# Altium PCB Power Distribution Board Rev5.PcbDoc (part 1 of 2) (continued)
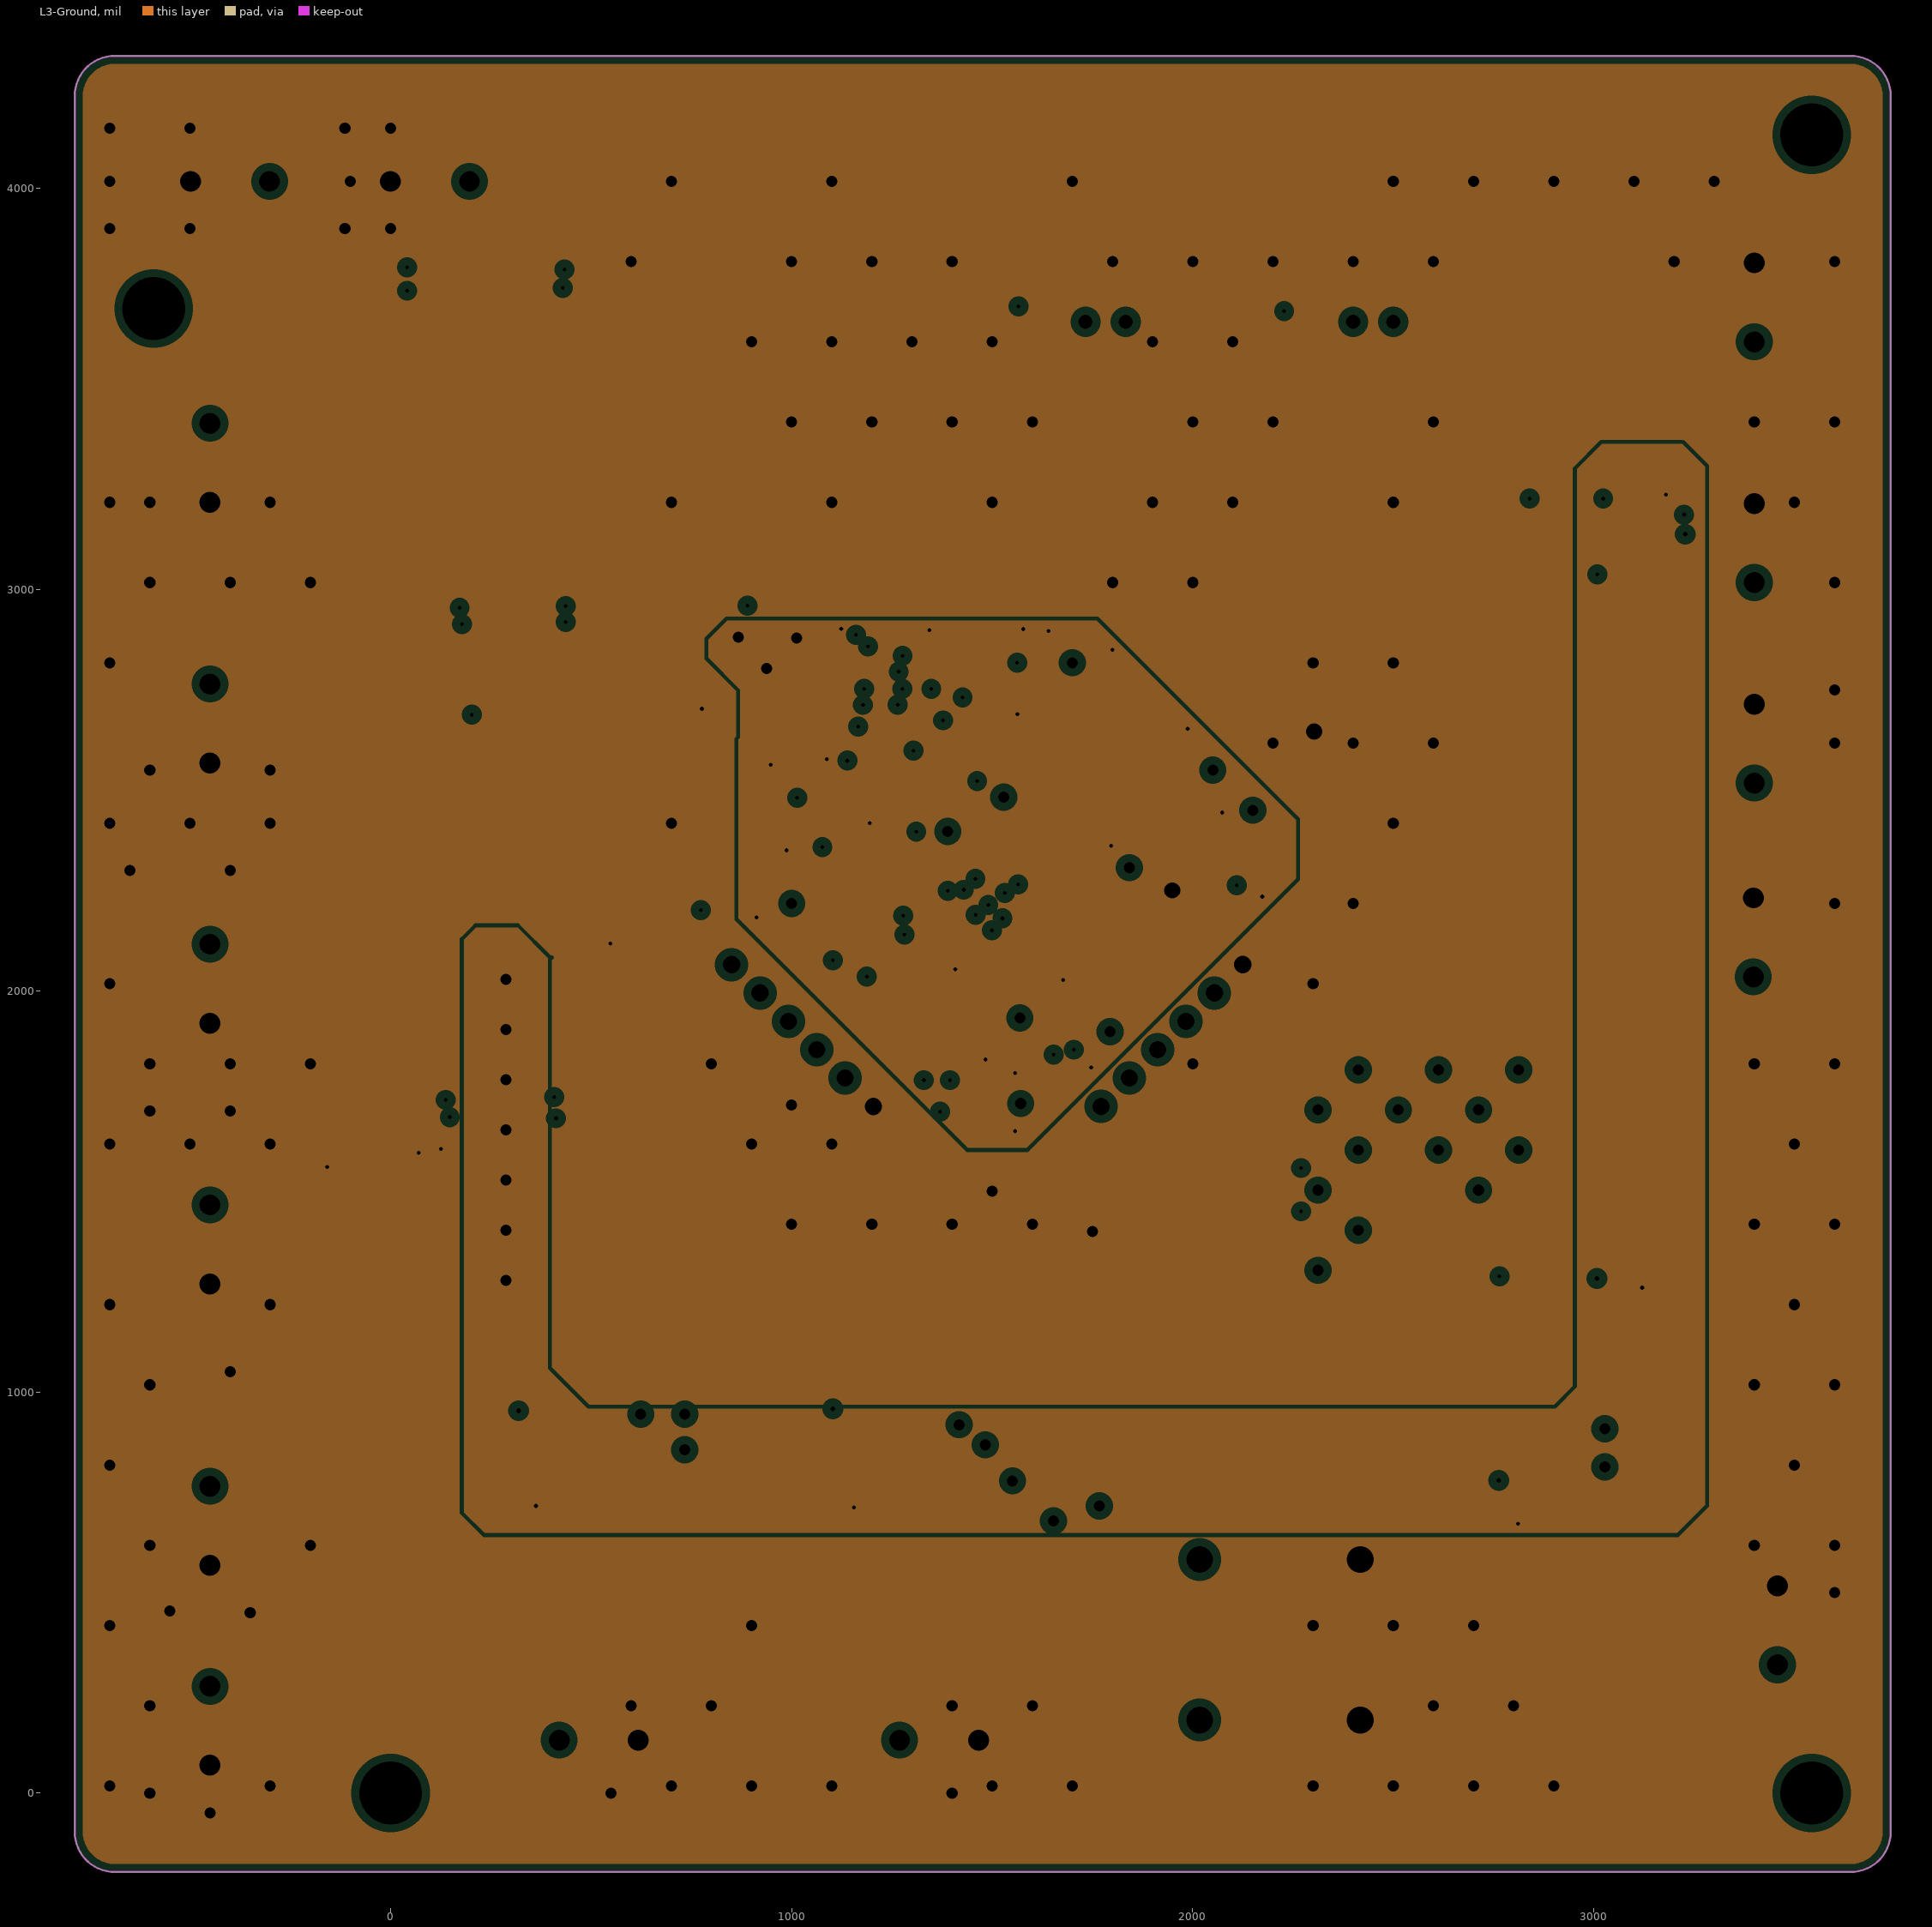
[diagram p3: L3-Ground, clearances drawn from the general rule]
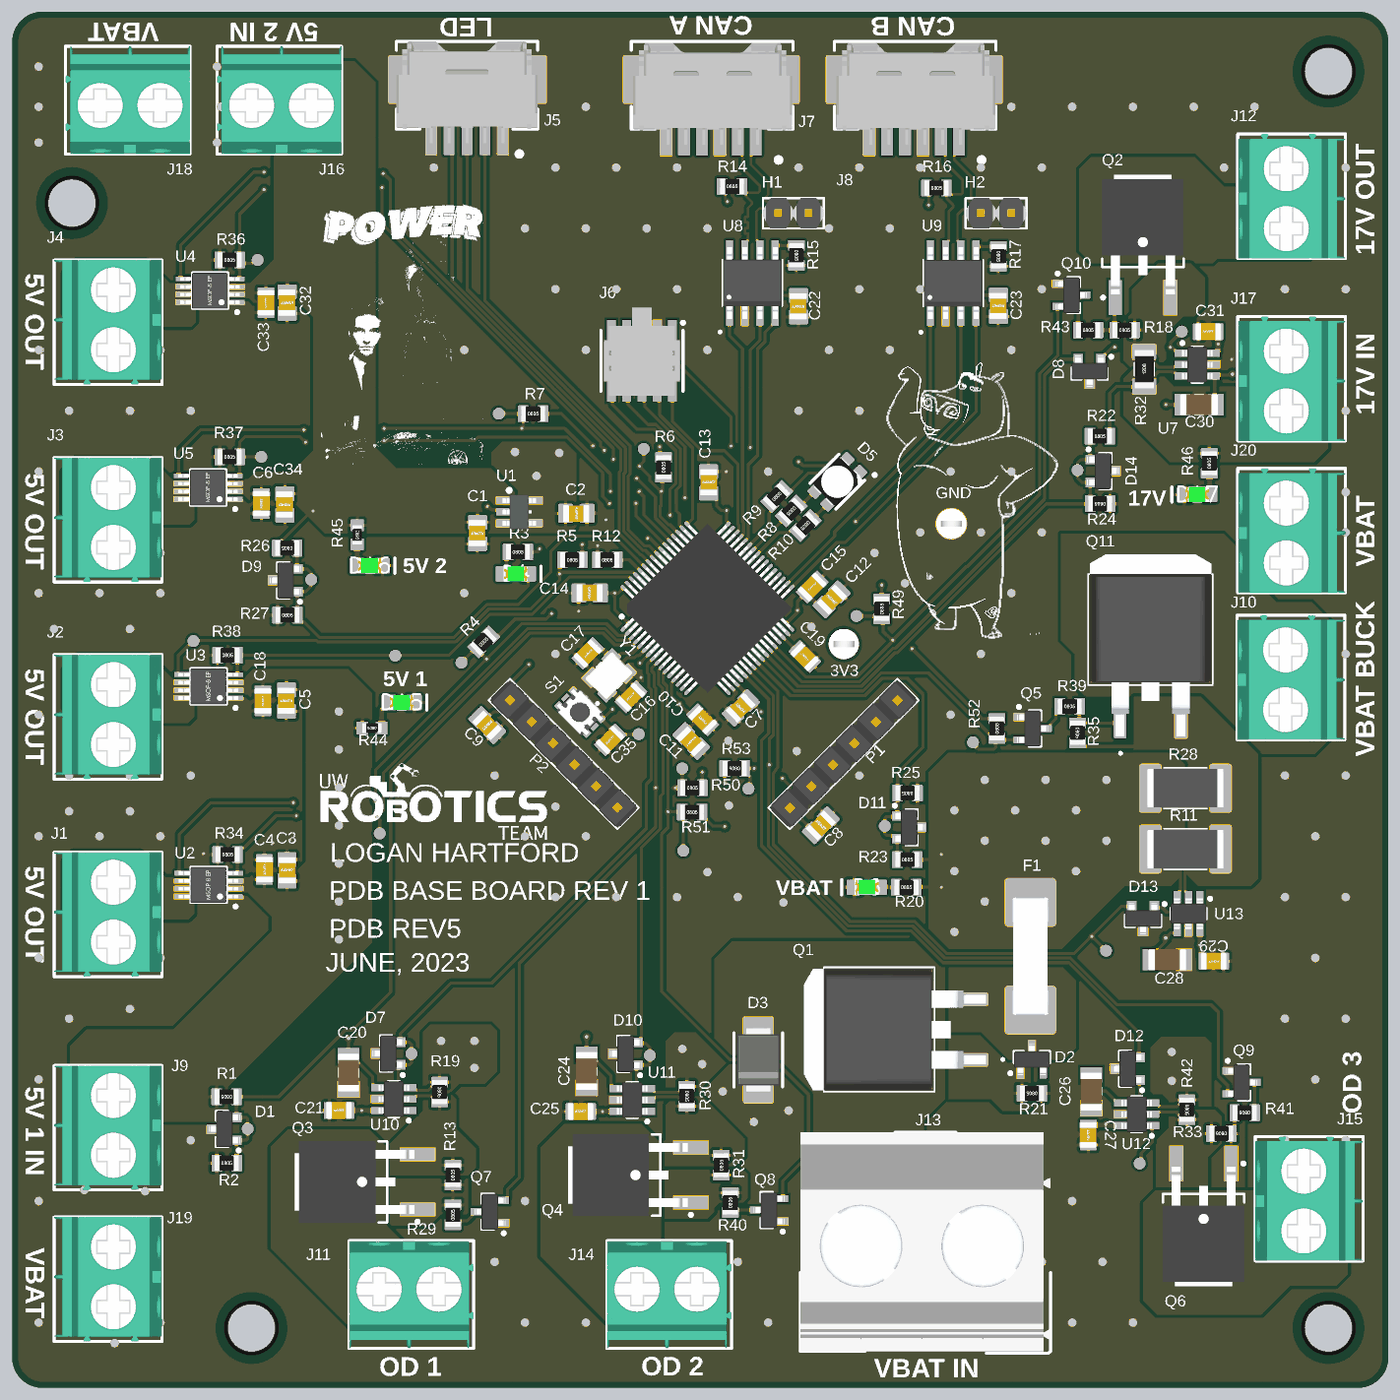
[diagram p5: 3D render of the assembled board from above, using the file's embedded part models]

## Layer stack, top to bottom
Top Solder: solder mask 0.5, Solder Resist, Dk 3.8
Top Layer: signal copper 1.378
Dielectric 1: prepreg 8.2835, 7628, Dk 4.6
L2-Ground: plane copper 0.5984, net GND
Core: core 41.929, FR-4, Dk 4.5
L3-Ground: plane copper 0.5984, net (Multiple Nets)
Dielectric 2: prepreg 8.2835, 7628, Dk 4.6
Bottom Layer: signal copper 1.378
Bottom Solder: solder mask 0.5, Solder Resist, Dk 3.8

## Board outline
-787.4,-96.85 ccw(c-687.4,-96.85) -687.4,-196.85 3640.16,-196.85 ccw(c3640.16,-96.85) 3740.16,-96.85 3740.16,4230.71 ccw(c3640.16,4230.71) 3640.16,4330.71 -687.4,4330.71 ccw(c-687.4,4230.71) -787.4,4230.71

## Design rules (kind name [scope] priority, off if disabled: settings)
BoardOutlineClearance [All] p1: gap=20 ignorepadtopadclearanceinfootprint=FALSE except(5: Text-OutlineEdge Text-CavityEdge Text-CutoutEdge Text-SplitBarrior Text-SplitContinuation; 25: Track-OutlineEdge Track-CavityEdge Track-CutoutEdge Track-SplitBarrior Track-SplitContinuation)
Clearance Clearance_mounting [(InComponent('MH1') OR InComponent('MH2') OR InComponent('MH3') OR InComponent('MH4'))] p1: gap=40 ignorepadtopadclearanceinfootprint=TRUE
Clearance "High Voltage Internal" [InNetClass('High_Voltage_Internal')  and OnLayer('Power')] p2: gap=20 ignorepadtopadclearanceinfootprint=TRUE
Clearance "High Voltage External" [InNetClass('High_Voltage')  and OnLayer('Signal')] p3: gap=12 ignorepadtopadclearanceinfootprint=TRUE
Clearance Clearance_1 [All] p4: gap=10 ignorepadtopadclearanceinfootprint=TRUE except(0: Arc-Text Track-Text; 5: Track-Track SMDPad-SMDPad Text-Text; 7: SMDPad-Region; 8: Arc-Arc Arc-Track Arc-SMDPad Track-SMDPad Track-Region SMDPad-THPad SMDPad-Fill SMDPad-Poly SMDPad-Text Region-Region; 20: THPad-THPad Via-Via)
ComponentClearance [All] p1: gap=10 collisioncheckmode=3 verticalgap=200 showdistances=FALSE
DiffPairsRouting [InDifferentialPairClass('CANBUS120')] p1: maxlimit=20 minlimit=8 mostfreqgap=20 toplayer_mingap=20 toplayer_minwidth=8 toplayer_maxwidth=8 toplayer_prefwidth=8 impedanceprofiledriven=TRUE impedanceprofileid={4CE2BA0C-8610-4AF6-9104-F98BE8B16325} impedanceprofilevalue=120.000000 maxuncoupledlength=500
Height [All] p1: minheight=0 maxheight=50000 prefheight=500
HoleSize [All] p1: absolutevalues=TRUE maxlimit=200 minlimit=10 maxpercent=80.000 minpercent=20.000
HoleToHoleClearance [All] p1: gap=20 allowstackedmicrovias=TRUE
MatchedLengths [InDifferentialPairClass('CANBUS120')] p1: tolerance=50 checknetsindiffpair=TRUE checkdiffpairvsdiffpair=FALSE checkxsignals=FALSE checkothers=FALSE
MinimumAnnularRing [All] p1: minimumring=5
MinimumSolderMaskSliver [All] p1: minsoldermaskwidth=3
PlaneClearance [All] p1: clearance=20
PlaneConnect [All] p1: pad.planeconnectstyle=Relief pad.reliefexpansion=20 pad.reliefentries=4 pad.reliefconductorwidth=10 pad.reliefairgap=10 via.planeconnectstyle=Direct via.reliefexpansion=20 via.reliefentries=4 via.reliefconductorwidth=10 via.reliefairgap=10
PolygonConnect PolygonConnect_reliefs [(HasFootprint('CAP0805') OR HasFootprint('CAP0603') OR HasFootprint('RES0603') OR HasFootprint('RES0805') OR HasFootprint('CAP2012') OR HasFootprint('SOD-923') OR HasFootprint('SOD-128') OR HasFootprint('LED_0805_GREEN'))] p1: thpad.connectstyle=Relief thpad.reliefconductorwidth=10 thpad.reliefentries=4 thpad.polygonreliefangle="90 Angle" thpad.airgapwidth=10 smdpad.connectstyle=Relief smdpad.reliefconductorwidth=10 smdpad.reliefentries=4 smdpad.polygonreliefangle="90 Angle" smdpad.airgapwidth=10 via.connectstyle=Direct via.reliefconductorwidth=10 via.reliefentries=4 via.polygonreliefangle="45 Angle" via.airgapwidth=10
PolygonConnect PolygonConnect_Via [IsVia] p2: connectstyle=Direct reliefconductorwidth=10 reliefentries=4 polygonreliefangle="90 Angle" airgapwidth=10
PolygonConnect [All] p3: connectstyle=Direct reliefconductorwidth=10 reliefentries=4 polygonreliefangle="90 Angle" airgapwidth=10
RoutingVias [All] p1: holewidth=12 width=24 viastyle="Through Hole" minholewidth=6 minwidth=12 maxholewidth=24 maxwidth=50
SilkToSilkClearance [All] p1: silktosilkclearance=2
SilkToSolderMaskClearance [IsPad] p1: minsilkscreentomaskgap=0.5 clearancetoexposedcopper=TRUE
SolderMaskExpansion [All] p1: expansion=2 istentingtop=FALSE
Width Width_1 [All] p1: maxlimit=100 minlimit=5 preferedwidth=10 minimp=50.000000 maximp=50.000000 favimp=50.000000
20 further rules are at their usual default settings.

## Classes and differential pairs
component class "SH1 - 48V POWER": C20 C21 C24 C25 C26 C27 C28 C29 D2 D3 D6 D7 D10 D11 D12 D13 F1 J10 J11 J13 J14 J15 Q1 Q3 Q4 Q5 Q6 Q7 Q8 Q9 Q11 R11 R13 R19 R20 R21 R23 R25 R28 R29 R30 R31 R33 R35 R39 R40 R41 R42 R50 R51 R52 R53 "TP 14" "TP 15" "TP 16" "TP 17" "TP 18" "TP 19" "TP 20" "TP 21" "TP 22" U10 U11 U12 U13
differential pair class CANBUS120: CANA CANB
component class "SH6 - CAN": C22 C23 H1 H2 J7 J8 R14 R15 R16 R17 U8 U9
component class "SH5 - MICROCONTROLLER": C7 C8 C9 C10 C11 C12 C13 C14 C15 C16 C17 C19 C35 D5 J5 J6 MH1 MH2 MH3 MH4 P1 P2 R8 R9 R10 R12 S1 "TP  NRST1" U6 Y1
component class "SH3 - 17V POWER": C30 C31 D8 D14 D17 J12 J17 J20 Q2 Q10 R18 R22 R24 R32 R43 R46 R49 "TP 11" "TP 12" "TP 13" U7
component class "SH2 - 5V POWER": C3 C4 C5 C6 C18 C32 C33 C34 D1 D9 D15 D16 EN1 J1 J2 J3 J4 J9 J16 J18 J19 R1 R2 R4 R5 R6 R7 R26 R27 R34 R36 R37 R38 R44 R45 "TP 1" "TP 2" "TP 3" "TP 4" "TP 5" "TP 6" "TP 7" "TP 8" "TP 9" "TP 10" U2 U3 U4 U5
component class "SH4 - 3.3V LINEAR REGULATOR": C1 C2 D4 GND R3 TP11 TP12 U1
differential pair CANB: +CANB_P -CANB_N
differential pair CANA: +CANA_P -CANA_N

## Components (designator, comment, footprint, x,y, rotation, side; value= is the part's Value field where it differs from the comment)
3V3 "TESTPOINT_LOOP" TESTPOINT_LOOP 1948.6,2250.15 r0 top (schematic designator TP1)
C1 "CAP_1uF_50V_0805" CAP2012 743.82,2615.21 r90 top value=1μF
C2 "CAP_1uF_50V_0805" CAP2012 1068.6,2680.15 r180 top value=1μF
C3 "CAP_10uF_16V_0805" CAP2012 116.8,1505.81 r270 top value=10μF
C4 "CAP_1uF_16V_0805" CAP0805 42.67,1508.57 r270 top value=1μF
C5 "CAP_10uF_16V_0805" CAP2012 115.19,2064.28 r90 top value=10μF
C6 "CAP_1uF_16V_0805" CAP0805 32.38,2712.59 r90 top value=1μF
C7 "CAP_0.1uF_50V_0805" CAP2012 1609.97,2040.35 r44 top value=0.1μF
C8 "CAP_0.1uF_50V_0805" CAP2012 1872.6,1654.15 r225 top value=0.1μF
C9 "CAP_0.1uF_50V_0805" CAP2012 775.66,1983.56 r135 top value=0.1μF
C10 "CAP_0.01uF_100V_0805" CAP0805 1484.6,2001.15 r135 top value=0.01μF
C11 "CAP_1uF_50V_0805" CAP2012 1446.6,1931.15 r135 top value=1μF
C12 "CAP_0.1uF_50V_0805" CAP2012 1908.6,2397.15 r225 top value=0.1μF
C13 "CAP_0.1uF_50V_0805" CAP2012 1503.6,2782.15 r270 top value=0.1μF
C14 "CAP_0.1uF_50V_0805" CAP2012 1112.6,2417.83 r0 top value=0.1μF
C15 "CAP_4.7uF_16V_0805" CAP0805 1844.6,2438.15 r225 top value=4.7μF
C16 "CAP_14pF_50V_0805" CAP0805 1248.45,2076.55 r45 top value=14pF
C17 "CAP_14pF_50V_0805" CAP0805 1106.47,2219.7 r225 top value=14pF
C18 "CAP_1uF_16V_0805" CAP0805 37.6,2063.15 r90 top value=1μF
C19 "CAP_4.7uF_16V_0805" CAP0805 1820.6,2209.15 r135 top value=4.7μF
C20 "CAP_1uF_100V_1206" CAPC3216X190X50NL20T25 319.44,840.55 r90 top value=1μF
C21 "CAP_0.1uF_10V_0805" CAP0805 287.94,715.75 r0 top value=0.1uF
C22 "CAP_0.1uF_50V_0805" CAP2012 1799.84,3361.53 r90 top value=0.1μF
C23 "CAP_0.1uF_50V_0805" CAP2012 2457.57,3363.01 r90 top value=0.1μF
C24 "CAP_1uF_100V_1206" CAPC3216X190X50NL20T25 1102.6,845.43 r90 top value=1μF
C25 "CAP_0.1uF_10V_0805" CAP0805 1082.91,712.32 r0 top value=0.1uF
C26 "CAP_1uF_100V_1206" CAPC3216X190X50NL20T25 2762.6,777.95 r90 top value=1μF
C27 "CAP_0.1uF_10V_0805" CAP0805 2753,635 r90 top value=0.1uF
C28 "CAP_1uF_100V_1206" CAPC3216X190X50NL20T25 3012.91,1211.97 r180 top value=1μF
C29 "CAP_0.1uF_10V_0805" CAP0805 3165.8,1206.97 r180 top value=0.1uF
C30 "CAP_1uF_100V_1206" CAPC3216X190X50NL20T25 3117.6,3038.15 r0 top value=1μF
C31 "CAP_0.1uF_10V_0805" CAP0805 3147.6,3278.15 r0 top value=0.1uF
C32 "CAP_10uF_16V_0805" CAP2012 117.6,3373.15 r90 top value=10μF
C33 "CAP_1uF_16V_0805" CAP0805 47.6,3373.15 r90 top value=1μF
C34 "CAP_10uF_16V_0805" CAP2012 109.71,2709.24 r90 top value=10μF
C35 "CAP_0.1uF_10V_0805" CAP0805 1180.6,1935.15 r45 top value=0.1uF
D1 "TVS_DIODE_3.3V_13.3A" ESD3V3AP-TP -89.37,655.12 r180 top
D2 "DIO_ZENER_51V" SOT23-3 2567.46,883.57 r90 top
D3 "TVS_DIODE_BIDIR_51V" TVS_DIODE_BIDIR_SMB 1667.46,882 r90 top
D4 "DIO_LED_G" LED_0805_GREEN 869.6,2481.15 r0 top
D5 "LED_RGB" LED_RGB 1927.6,2784.15 r135 top
D6 "LED_GREEN" LED_0805_GREEN 2024.6,1450.15 r180 top
D7 "TVS_DIODE_3.3V_13.3A" ESD3V3AP-TP 450.54,903.15 r180 top
D8 "TVS_DIODE_3.3V_13.3A" ESD3V3AP-TP 2757.6,3148.15 r270 top
D9 "TVS_DIODE_3.3V_13.3A" ESD3V3AP-TP 112.28,2460.15 r180 top
D10 "TVS_DIODE_3.3V_13.3A" ESD3V3AP-TP 1231.23,902.31 r180 top
D11 "TVS_DIODE_3.3V_13.3A" ESD3V3AP-TP 2163.56,1647.51 r0 top
D12 "TVS_DIODE_3.3V_13.3A" ESD3V3AP-TP 2882.6,853.15 r180 top
D13 "TVS_DIODE_3.3V_13.3A" ESD3V3AP-TP 2933.08,1347.52 r270 top
D14 "TVS_DIODE_3.3V_13.3A" ESD3V3AP-TP 2801.22,2819.71 r0 top
D15 "LED_GREEN" LED_0805_GREEN 494,2058 r0 top
D16 "LED_GREEN" LED_0805_GREEN 389,2508 r0 top
D17 "LED_GREEN" LED_0805_GREEN 3111,2742 r180 top
F1 "FUSE_30A_3912" FUSE_3912 2562.6,1223.15 r90 top
GND "TESTPOINT_LOOP" TESTPOINT_LOOP 2302.6,2646.15 r0 top (schematic designator TP2)
H1 "JUMPER_2" HDR1X2 1832.81,3667.72 r180 top
H2 "JUMPER_2" HDR1X2 2500,3667.72 r180 top
J1 "CON_2M_TERM" 1935161 -450,1367.72 r270 top
J2 "CON_2M_TERM" 1935161 -450,2017.72 r270 top
J3 "CON_2M_TERM" 1935161 -450,2666.14 r270 top
J4 "CON_2M_TERM" 1935161 -450,3316.14 r270 top
J5 "CON_5M_SM_RA" MOLEX-5025850570 827.17,3917.72 r0 top
J6 "CON_PROGRAMMING" FTSH-105-01-F-DV-K-P-TR 1284.6,3182.15 r180 top
J7 "CON_6M_SM_RA_1.5mm" MOLEX-5025850670 1659.06,3917.72 r0 top
J8 "CON_6M_SM_RA_1.5mm" MOLEX-5025850670 2327.17,3917.72 r0 top
J9 "CON_2M_TERM" 1935161 -450,666.14 r270 top
J10 "CON_2M_TERM" 1935161 3397.6,2133.15 r90 top
J11 "CON_2M_TERM" 1935161 519.03,132 r0 top
J12 "CON_2M_TERM" 1935161 3400,3716.14 r90 top
J13 "CON_2POS_SCREW_TERM" VP0265840000G 2217.46,382 r90 top
J14 "CON_2M_TERM" 1935161 1367.46,132 r0 top
J15 "CON_2M_TERM" 1935161 3457.6,418.15 r90 top
J16 "CON_2M_TERM" 1935161 98.43,4017.72 r180 top
J17 "CON_2M_TERM" 1935161 3400,3116.14 r90 top
J18 "CON_2M_TERM" 1935161 -400,4017.72 r180 top
J19 "CON_2M_TERM" 1935161 -450,167.72 r270 top
J20 "CON_2M_TERM" 1935161 3400,2616.14 r90 top
MH1 "MOUNTING_HOLE_5/32" MOUNTING_HOLE_5/38#1 3500,-32.28 r0 top
MH2 "MOUNTING_HOLE_5/32" MOUNTING_HOLE_5/38#2 0,67.72 r0 top
MH3 "MOUNTING_HOLE_5/32" MOUNTING_HOLE_5/38#3 3500,4167.72 r0 top
MH4 "MOUNTING_HOLE_5/32" MOUNTING_HOLE_5/38#4 -409.84,3680.71 r0 top
P1 "CONN_TERMINAL_6" CONN_6POS_SIP 1947.95,1888.5 r135 top
P2 "CONN_TERMINAL_6" CONN_6POS_SIP 1027.24,1888.5 r45 top
Q1 "PMOS_100V_38A" "DPAK254P1524X483-4_3N - new" 2117.46,982 r180 top
Q2 "PMOS_100V_13A" RD3P130SPFRATL 2932.6,3573.15 r90 top
Q3 "PMOS_100V_13A" RD3P130SPFRATL 363.14,480.74 r180 top
Q4 "PMOS_100V_13A" RD3P130SPFRATL 1262.6,503.15 r180 top
Q5 "NMOS_60V_340mS" SOT23-3 2570.04,1972.45 r0 top
Q6 "PMOS_100V_13A" RD3P130SPFRATL 3132.6,358.15 r270 top
Q7 "NMOS_60V_340mS" SOT23-3 784.66,382.64 r180 top
Q8 "NMOS_60V_340mS" SOT23-3 1702.6,388.13 r180 top
Q9 "NMOS_60V_340mS" SOT23-3 3257.6,808.15 r0 top
Q10 "NMOS_60V_340mS" SOT23-3 2697.6,3398.15 r0 top
Q11 "PMOS_100V_38A" "DPAK254P1524X483-4_3N - new" 2957.6,2245.12 r90 top
R1 "RES_2.2kΩ_0805" RES0805 -81.93,760.79 r180 top value=2.2kΩ
R2 "RES_3.3kΩ_0805_1%" RES0805 -81.53,542.67 r0 top value=3.3kΩ
R3 "RES_220Ω_0805_5%" RES0805 876.6,2553.15 r0 top value=220Ω
R4 "RES_10kΩ_0805_5%" RES0805 763.6,2257.15 r45 top value=10kΩ
R5 "RES_10kΩ_0805_5%" RES0805 1055.6,2527.15 r0 top value=10kΩ
R6 "RES_10kΩ_0805_5%" RES0805 1355.6,2831.93 r90 top value=10kΩ
R7 "RES_10kΩ_0805_5%" RES0805 926.6,3008.15 r0 top value=10kΩ
R8 "RES_20Ω_0805_1%" RES0805 1776.02,2687.98 r225 top value=20Ω
R9 "RES_120Ω_0805_1%" RES0805 1727.74,2735.82 r45 top value=120Ω
R10 "RES_20Ω_0805_1%" RES0805 1822.52,2640.15 r225 top value=20Ω
R11 "RES_4mΩ_2512_1%" RESC6532X75N 3072.61,1575.86 r0 top value=0.004Ω
R12 "RES_10kΩ_0805_5%" RES0805 1170.6,2527.15 r0 top value=10kΩ
R13 "RES_2.7kΩ_0805_1%" RES0805 662.6,503.15 r90 top value=2.7kΩ
R14 "RES_120Ω_0805_1%" RES0805 1581.08,3756.07 r0 top value=120Ω
R15 "RES_0Ω_0805" RES0805 1792.53,3529.11 r270 top value=0Ω
R16 "RES_120Ω_0805_1%" RES0805 2253.65,3750.55 r0 top value=120Ω
R17 "RES_0Ω_0805" RES0805 2457.57,3525.83 r270 top value=0Ω
R18 "RES_2.7kΩ_0805_1%" RES0805 2872.6,3283.15 r0 top value=2.7kΩ
R19 "RES_24mΩ_0805_1%" RES0805 618.73,776.6 r270 top value=0.024Ω
R20 "RES_10kΩ_0805_5%" RES0805 2154.6,1450.15 r0 top value=10kΩ
R21 "RES_1kΩ_0805_1%" RES0805 2567.46,772.15 r180 top value=1kΩ
R22 "RES_5.6kΩ_0805" RES0805 2791.35,2933.9 r0 top value=5.6kΩ
R23 "RES_15kΩ_0805_1%" RES0805 2157.54,1541.03 r0 top value=15kΩ
R24 "RES_1.2kΩ_0805" RES0805 2791.99,2711.64 r180 top value=1.2kΩ
R25 "RES_1kΩ_0805_1%_1" RES0805 2158.25,1759.62 r180 top value=1kΩ
R26 "RES_2.2kΩ_0805" RES0805 117.41,2565.75 r180 top value=2.2kΩ
R27 "RES_3.3kΩ_0805_1%" RES0805 118.26,2345.51 r0 top value=3.3kΩ
R28 "RES_4mΩ_2512_1%" RESC6532X75N 3072.61,1775.86 r0 top value=0.004Ω
R29 "RES_10kΩ_0805_5%" RES0805 662.6,372.24 r90 top value=10kΩ
R30 "RES_24mΩ_0805_1%" RES0805 1432.6,762.83 r270 top value=0.024Ω
R31 "RES_2.7kΩ_0805_1%" RES0805 1545.51,535.63 r90 top value=2.7kΩ
R32 "RES_0.015Ω_1206_1%" RES1206 2937.25,3154.46 r90 top value=0.015Ω
R33 "RES_2.7kΩ_0805_1%" RES0805 3190.91,639.84 r180 top value=2.7kΩ
R34 "RES_10kΩ_0805_5%" RES0805 -78.61,1557.94 r0 top value=10kΩ
R35 "RES_2.7kΩ_0805_1%" RES0805 2717.6,1958.15 r270 top value=2.7kΩ
R36 "RES_10kΩ_0805_5%" RES0805 -71.79,3513.83 r0 top value=10kΩ
R37 "RES_10kΩ_0805_5%" RES0805 -71.79,2866.05 r0 top value=10kΩ
R38 "RES_10kΩ_0805_5%" RES0805 -78.78,2213.7 r0 top value=10kΩ
R39 "RES_10kΩ_0805_5%" RES0805 2691.75,2045.31 r0 top value=10kΩ
R40 "RES_10kΩ_0805_5%" RES0805 1575.35,412.6 r90 top value=10kΩ
R41 "RES_10kΩ_0805_5%" RES0805 3267.6,708.15 r180 top value=10kΩ
R42 "RES_24mΩ_0805_1%" RES0805 3077.6,718.15 r270 top value=0.024Ω
R43 "RES_10kΩ_0805_5%" RES0805 2752.6,3283.15 r0 top value=10kΩ
R44 "RES_510Ω_0603_5%" RES0603 428,1974 r180 top value=510Ω
R45 "RES_510Ω_0603_5%" RES0603 348,2578 r90 top value=510Ω
R46 "RES_3.3kΩ_0805_1%" RES0805 3151,2845 r90 top value=3.3kΩ
R49 "RES_10kΩ_0805_5%" RES0805 2073.6,2366.15 r90 top value=10kΩ
R50 "RES_10kΩ_0805_5%" RES0805 1450.6,1777.15 r0 top value=10kΩ
R51 "RES_10kΩ_0805_5%" RES0805 1449.6,1697.15 r0 top value=10kΩ
R52 "RES_10kΩ_0805_5%" RES0805 2452.6,1972.45 r90 top value=10kΩ
R53 "RES_10kΩ_0805_5%" RES0805 1589.6,1841.15 r180 top value=10kΩ
S1 "SW_PUSHBUTTON" TACTILE_SWITCH_SMD 1080.6,2026.15 r315 top
"TP 1" "TESTPOINT_1MM_CIRCLE" TESTPOINT_CIRCLE_1MM 422,1627 r90 top
"TP 2" "TESTPOINT_1MM_CIRCLE" TESTPOINT_CIRCLE_1MM 473,2212 r90 top
"TP 3" "TESTPOINT_1MM_CIRCLE" TESTPOINT_CIRCLE_1MM 20.26,3513.83 r90 top
"TP 4" "TESTPOINT_1MM_CIRCLE" TESTPOINT_CIRCLE_1MM 32.38,2866.05 r90 top
"TP 5" "TESTPOINT_1MM_CIRCLE" TESTPOINT_CIRCLE_1MM 690.6,2189.15 r90 top
"TP 6" "TESTPOINT_1MM_CIRCLE" TESTPOINT_CIRCLE_1MM -191,2260 r90 top
"TP 7" "TESTPOINT_1MM_CIRCLE" TESTPOINT_CIRCLE_1MM 1290.6,2892.17 r90 top
"TP 8" "TESTPOINT_1MM_CIRCLE" TESTPOINT_CIRCLE_1MM -12.4,655.12 r90 top
"TP 9" "TESTPOINT_1MM_CIRCLE" TESTPOINT_CIRCLE_1MM 196.6,2462.15 r90 top
"TP 10" "TESTPOINT_1MM_CIRCLE" TESTPOINT_CIRCLE_1MM 813.41,3008.15 r90 top
"TP 11" "TESTPOINT_1MM_CIRCLE" TESTPOINT_CIRCLE_1MM 1990.6,2342.15 r90 top
"TP 12" "TESTPOINT_1MM_CIRCLE" TESTPOINT_CIRCLE_1MM 2717.6,2822.15 r90 top
"TP 13" "TESTPOINT_1MM_CIRCLE" TESTPOINT_CIRCLE_1MM 3060.45,3278.15 r90 top